# Altium PCB UltraZOhm_CarrierBoard.PcbDoc (part 7 of 12)
Units mm, origin at the board's own origin, x right, y up, seen from the top; angles counter-clockwise.
Board outline 350 x 128 mm, 6 copper layers (Top Layer, L02_GND, L03_Sig, L04_Sig, L05_VCC, Bottom Layer), stack 2.021 mm thick; 851 components, 1243 nets, 4332 pads, 2446 vias.
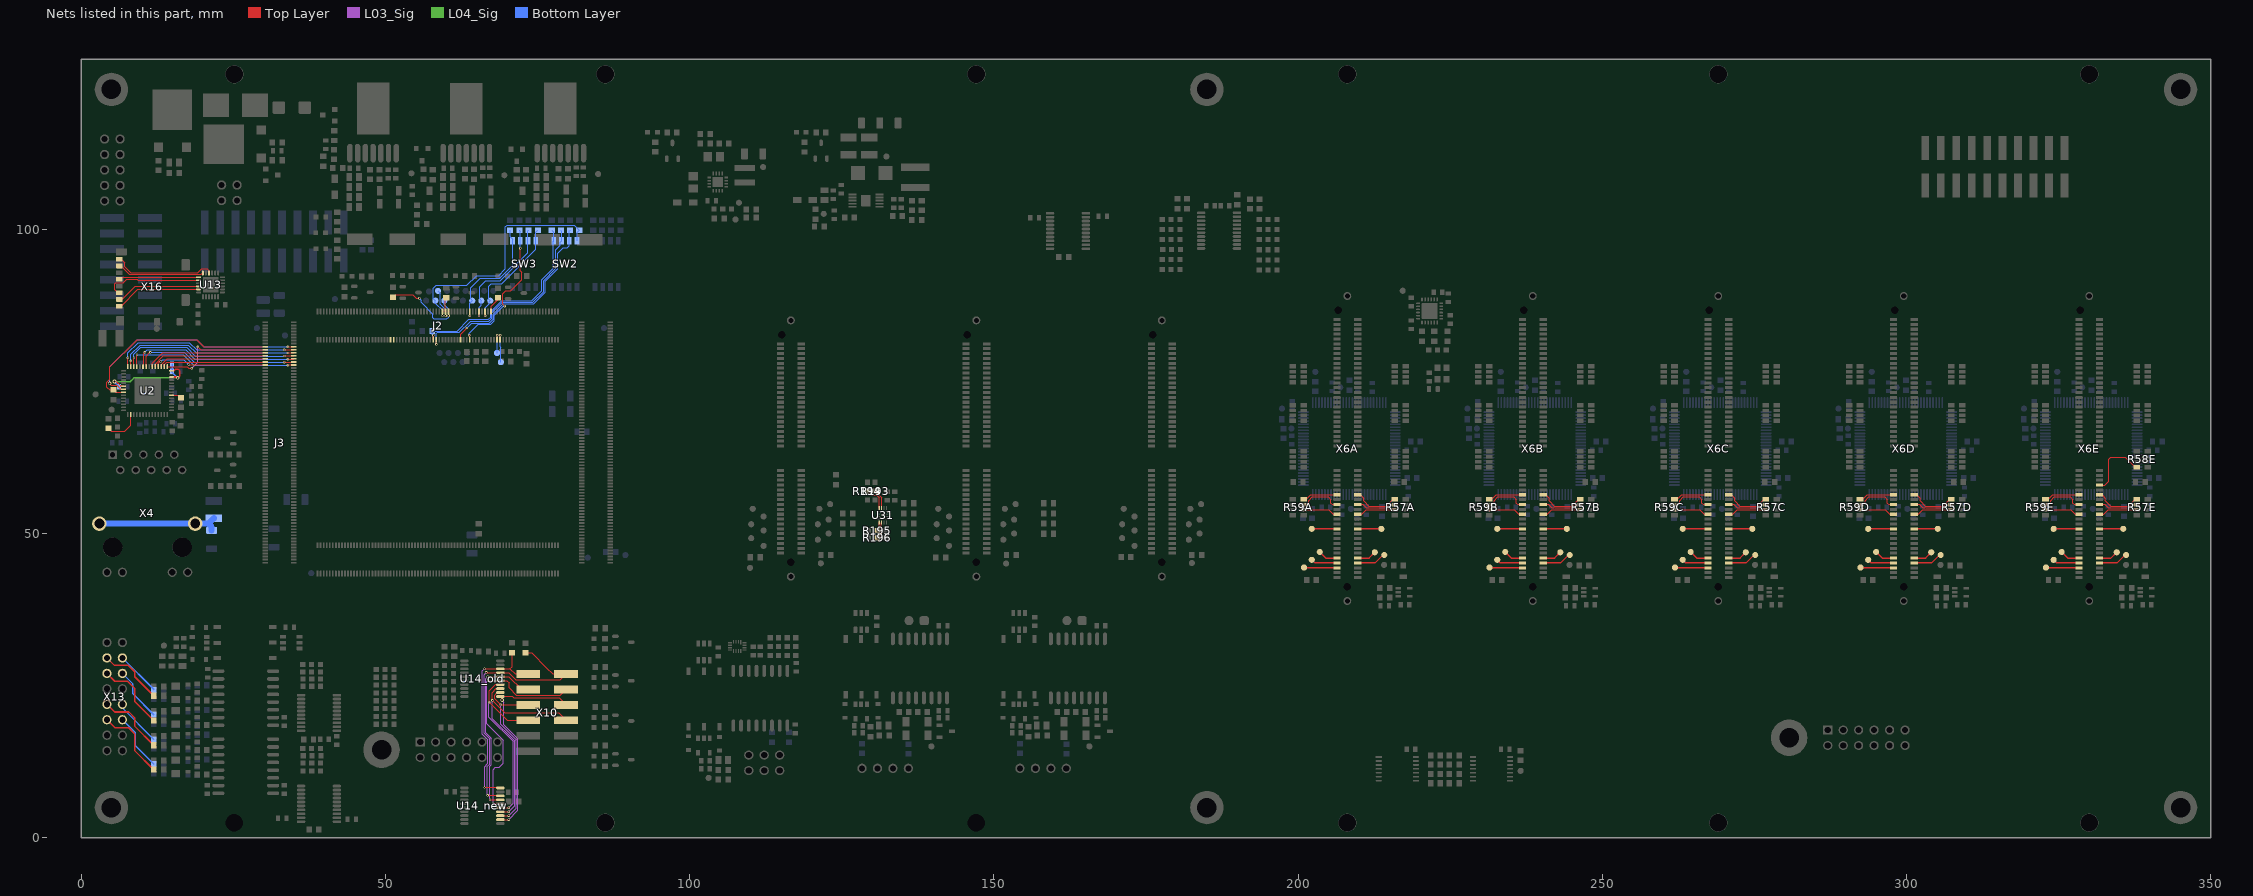
[diagram p11: the nets of this part, all layers, seen from the top]

## Via types
v1: diameter 0.4, hole 0.2, Top Layer to Bottom Layer, tented bottom, 866 vias
v2: diameter 0.4, hole 0.2, Top Layer to Bottom Layer, tented both sides, 783 vias
v3: diameter 0.6, hole 0.3, Top Layer to Bottom Layer, tented both sides, 508 vias
v4: diameter 0.6, hole 0.3, Top Layer to Bottom Layer, tented bottom, 276 vias
v5: diameter 0.5, hole 0.2, Top Layer to Bottom Layer, tented bottom, 5 vias
v6: diameter 0.5, hole 0.3, Top Layer to Bottom Layer, tented bottom, 5 vias
v7: diameter 1, hole 0.5, Top Layer to Bottom Layer, tented bottom, 2 vias
v8: diameter 0.4, hole 0.2, Top Layer to Bottom Layer, 1 vias

## Nets (pads, with @x,y where several pads share a name; then routed paths per layer and width w, separated by ;. In a path a pad name is that pad's centre, name@x,y a point inside that pad or via, vN(x,y) a via of type N, cw(c..) or ccw(c..) an arc to the next point about the centre after c; other vN are vias at no path point) (continued)
DIG_IO_24E: R58E.8 X6E.62 | length 10.8
  Top Layer w0.1: X6E.62@331.7,58 332.57,58 333.17,58.6 333.17,62.2 333.57,62.6 335.92,62.6 337.598,60.922 R58E.8@337.82,60.922
DIG_IO_25A: R59A.8 X6A.65 | length 5.8
  Top Layer w0.1: R59A.8@200.9,55.648 201.348,55.648 202.1,56.4 X6A.65@206.38,56.4
DIG_IO_25B: R59B.8 X6B.65 | length 5.8
  Top Layer w0.1: R59B.8@231.38,55.648 231.828,55.648 232.58,56.4 X6B.65@236.86,56.4
DIG_IO_25C: R59C.8 X6C.65 | length 5.8
  Top Layer w0.1: R59C.8@261.86,55.648 262.308,55.648 263.06,56.4 X6C.65@267.34,56.4
DIG_IO_25D: R59D.8 X6D.65 | length 5.8
  Top Layer w0.1: R59D.8@292.34,55.648 292.788,55.648 293.54,56.4 X6D.65@297.82,56.4
DIG_IO_25E: R59E.8 X6E.65 | length 5.8
  Top Layer w0.1: R59E.8@322.82,55.648 323.268,55.648 324.02,56.4 X6E.65@328.3,56.4
DIG_IO_26A: R57A.5 X6A.66 | length 7.6
  Top Layer w0.1: X6A.66@209.78,56.4 210.2,56.4 210.75,55.85 210.75,55.43 211.63,54.55 214.55,54.55 215.648,55.648 R57A.5@215.9,55.648
DIG_IO_26B: R57B.5 X6B.66 | length 7.6
  Top Layer w0.1: X6B.66@240.26,56.4 240.68,56.4 241.23,55.85 241.23,55.43 242.11,54.55 245.03,54.55 246.128,55.648 R57B.5@246.38,55.648
DIG_IO_26C: R57C.5 X6C.66 | length 7.6
  Top Layer w0.1: X6C.66@270.74,56.4 271.16,56.4 271.71,55.85 271.71,55.43 272.59,54.55 275.51,54.55 276.608,55.648 R57C.5@276.86,55.648
DIG_IO_26D: R57D.5 X6D.66 | length 7.6
  Top Layer w0.1: X6D.66@301.22,56.4 301.64,56.4 302.19,55.85 302.19,55.43 303.07,54.55 305.99,54.55 307.088,55.648 R57D.5@307.34,55.648
DIG_IO_26E: R57E.5 X6E.66 | length 7.6
  Top Layer w0.1: X6E.66@331.7,56.4 332.12,56.4 332.67,55.85 332.67,55.43 333.55,54.55 336.47,54.55 337.568,55.648 R57E.5@337.82,55.648
DIG_IO_27A: R59A.7 X6A.69 | length 7.1
  Top Layer w0.1: R59A.7@200.9,54.748 201.348,54.748 201.75,55.15 201.75,55.45 202.35,56.05 204.95,56.05 205.4,55.6 205.4,55 205.6,54.8 X6A.69@206.38,54.8
DIG_IO_27B: R59B.7 X6B.69 | length 7.1
  Top Layer w0.1: R59B.7@231.38,54.748 231.828,54.748 232.23,55.15 232.23,55.45 232.83,56.05 235.43,56.05 235.88,55.6 235.88,55 236.08,54.8 X6B.69@236.86,54.8
DIG_IO_27C: R59C.7 X6C.69 | length 7.1
  Top Layer w0.1: R59C.7@261.86,54.748 262.308,54.748 262.71,55.15 262.71,55.45 263.31,56.05 265.91,56.05 266.36,55.6 266.36,55 266.56,54.8 X6C.69@267.34,54.8
DIG_IO_27D: R59D.7 X6D.69 | length 7.1
  Top Layer w0.1: R59D.7@292.34,54.748 292.788,54.748 293.19,55.15 293.19,55.45 293.79,56.05 296.39,56.05 296.84,55.6 296.84,55 297.04,54.8 X6D.69@297.82,54.8
DIG_IO_27E: R59E.7 X6E.69 | length 7.1
  Top Layer w0.1: R59E.7@322.82,54.748 323.268,54.748 323.67,55.15 323.67,55.45 324.27,56.05 326.87,56.05 327.32,55.6 327.32,55 327.52,54.8 X6E.69@328.3,54.8
DIG_IO_28A: R57A.6 X6A.70 | length 6.6
  Top Layer w0.1: X6A.70@209.78,54.8 210.65,54.8 211.2,54.25 214.854,54.25 215.352,54.748 R57A.6@215.9,54.748
DIG_IO_28B: R57B.6 X6B.70 | length 6.6
  Top Layer w0.1: X6B.70@240.26,54.8 241.13,54.8 241.68,54.25 245.334,54.25 245.832,54.748 R57B.6@246.38,54.748
DIG_IO_28C: R57C.6 X6C.70 | length 6.6
  Top Layer w0.1: X6C.70@270.74,54.8 271.61,54.8 272.16,54.25 275.814,54.25 276.312,54.748 R57C.6@276.86,54.748
DIG_IO_28D: R57D.6 X6D.70 | length 6.6
  Top Layer w0.1: X6D.70@301.22,54.8 302.09,54.8 302.64,54.25 306.294,54.25 306.792,54.748 R57D.6@307.34,54.748
DIG_IO_28E: R57E.6 X6E.70 | length 6.6
  Top Layer w0.1: X6E.70@331.7,54.8 332.57,54.8 333.12,54.25 336.774,54.25 337.272,54.748 R57E.6@337.82,54.748
DIG_IO_29A: R59A.6 X6A.73 | length 5.8
  Top Layer w0.1: R59A.6@200.9,53.948 205.052,53.948 205.8,53.2 X6A.73@206.38,53.2
DIG_IO_29B: R59B.6 X6B.73 | length 5.8
  Top Layer w0.1: R59B.6@231.38,53.948 235.532,53.948 236.28,53.2 X6B.73@236.86,53.2
DIG_IO_29C: R59C.6 X6C.73 | length 5.8
  Top Layer w0.1: R59C.6@261.86,53.948 266.012,53.948 266.76,53.2 X6C.73@267.34,53.2
DIG_IO_29D: R59D.6 X6D.73 | length 5.8
  Top Layer w0.1: R59D.6@292.34,53.948 296.492,53.948 297.24,53.2 X6D.73@297.82,53.2
DIG_IO_29E: R59E.6 X6E.73 | length 5.8
  Top Layer w0.1: R59E.6@322.82,53.948 326.972,53.948 327.72,53.2 X6E.73@328.3,53.2
DIG_IO_30A: R57A.7 X6A.74 | length 6.4
  Top Layer w0.1: X6A.74@209.78,53.2 210.45,53.2 211.198,53.948 R57A.7@215.9,53.948
DIG_IO_30B: R57B.7 X6B.74 | length 6.4
  Top Layer w0.1: X6B.74@240.26,53.2 240.93,53.2 241.678,53.948 R57B.7@246.38,53.948
DIG_IO_30C: R57C.7 X6C.74 | length 6.4
  Top Layer w0.1: X6C.74@270.74,53.2 271.41,53.2 272.158,53.948 R57C.7@276.86,53.948
DIG_IO_30D: R57D.7 X6D.74 | length 6.4
  Top Layer w0.1: X6D.74@301.22,53.2 301.89,53.2 302.638,53.948 R57D.7@307.34,53.948
DIG_IO_30E: R57E.7 X6E.74 | length 6.4
  Top Layer w0.1: X6E.74@331.7,53.2 332.37,53.2 333.118,53.948 R57E.7@337.82,53.948
DIG_RES_01A: TP57A.1 X6A.79 | length 4.1
  Top Layer w0.254: TP57A.1@202.238,50.792 206.372,50.792 X6A.79@206.38,50.8
DIG_RES_01B: TP57B.1 X6B.79 | length 4.1
  Top Layer w0.254: TP57B.1@232.718,50.792 236.852,50.792 X6B.79@236.86,50.8
DIG_RES_01C: TP57C.1 X6C.79 | length 4.1
  Top Layer w0.254: TP57C.1@263.198,50.792 267.332,50.792 X6C.79@267.34,50.8
DIG_RES_01D: TP57D.1 X6D.79 | length 4.1
  Top Layer w0.254: TP57D.1@293.678,50.792 297.812,50.792 X6D.79@297.82,50.8
DIG_RES_01E: TP57E.1 X6E.79 | length 4.1
  Top Layer w0.254: TP57E.1@324.158,50.792 328.292,50.792 X6E.79@328.3,50.8
DIG_RES_02A: TP58A.1 X6A.80 | length 3.9
  Top Layer w0.254: X6A.80@209.78,50.8 213.66,50.8 TP58A.1@213.668,50.792
DIG_RES_02B: TP58B.1 X6B.80 | length 3.9
  Top Layer w0.254: X6B.80@240.26,50.8 244.14,50.8 TP58B.1@244.148,50.792
DIG_RES_02C: TP58C.1 X6C.80 | length 3.9
  Top Layer w0.254: X6C.80@270.74,50.8 274.62,50.8 TP58C.1@274.628,50.792
DIG_RES_02D: TP58D.1 X6D.80 | length 3.9
  Top Layer w0.254: X6D.80@301.22,50.8 305.1,50.8 TP58D.1@305.108,50.792
DIG_RES_02E: TP58E.1 X6E.80 | length 3.9
  Top Layer w0.254: X6E.80@331.7,50.8 335.58,50.8 TP58E.1@335.588,50.792
DIG_RES_03A: TP81A.1 X6A.91 | length 3.2
  Top Layer w0.254: TP81A.1@203.549,47 204.549,46 X6A.91@206.38,46
DIG_RES_03B: TP81B.1 X6B.91 | length 3.2
  Top Layer w0.254: TP81B.1@234.029,47 235.029,46 X6B.91@236.86,46
DIG_RES_03C: TP81C.1 X6C.91 | length 3.2
  Top Layer w0.254: TP81C.1@264.509,47 265.509,46 X6C.91@267.34,46
DIG_RES_03D: TP81D.1 X6D.91 | length 3.2
  Top Layer w0.254: TP81D.1@294.989,47 295.989,46 X6D.91@297.82,46
DIG_RES_03E: TP81E.1 X6E.91 | length 3.2
  Top Layer w0.254: TP81E.1@325.469,47 326.469,46 X6E.91@328.3,46
DIG_RES_04A: TP82A.1 X6A.92 | length 3.2
  Top Layer w0.254: X6A.92@209.78,46 211.649,46 TP82A.1@212.599,46.95
DIG_RES_04B: TP82B.1 X6B.92 | length 3.2
  Top Layer w0.254: X6B.92@240.26,46 242.129,46 TP82B.1@243.079,46.95
DIG_RES_04C: TP82C.1 X6C.92 | length 3.2
  Top Layer w0.254: X6C.92@270.74,46 272.609,46 TP82C.1@273.559,46.95
DIG_RES_04D: TP82D.1 X6D.92 | length 3.2
  Top Layer w0.254: X6D.92@301.22,46 303.089,46 TP82D.1@304.039,46.95
DIG_RES_04E: TP82E.1 X6E.92 | length 3.2
  Top Layer w0.254: X6E.92@331.7,46 333.569,46 TP82E.1@334.519,46.95
DIG_RES_05A: TP64A.1 X6A.93 | length 4.4
  Top Layer w0.254: TP64A.1@202.238,45.712 202.75,45.2 X6A.93@206.38,45.2
DIG_RES_05B: TP64B.1 X6B.93 | length 4.4
  Top Layer w0.254: TP64B.1@232.718,45.712 233.23,45.2 X6B.93@236.86,45.2
DIG_RES_05C: TP64C.1 X6C.93 | length 4.4
  Top Layer w0.254: TP64C.1@263.198,45.712 263.71,45.2 X6C.93@267.34,45.2
DIG_RES_05D: TP64D.1 X6D.93 | length 4.4
  Top Layer w0.254: TP64D.1@293.678,45.712 294.19,45.2 X6D.93@297.82,45.2
DIG_RES_05E: TP64E.1 X6E.93 | length 4.4
  Top Layer w0.254: TP64E.1@324.158,45.712 324.67,45.2 X6E.93@328.3,45.2
DIG_RES_06A: TP65A.1 X6A.94 | length 4.9
  Top Layer w0.254: X6A.94@209.78,45.2 212.648,45.2 213.948,46.5 TP65A.1@214.15,46.5
DIG_RES_06B: TP65B.1 X6B.94 | length 4.9
  Top Layer w0.254: X6B.94@240.26,45.2 243.128,45.2 244.428,46.5 TP65B.1@244.63,46.5
DIG_RES_06C: TP65C.1 X6C.94 | length 4.9
  Top Layer w0.254: X6C.94@270.74,45.2 273.608,45.2 274.908,46.5 TP65C.1@275.11,46.5
DIG_RES_06D: TP65D.1 X6D.94 | length 4.9
  Top Layer w0.254: X6D.94@301.22,45.2 304.088,45.2 305.388,46.5 TP65D.1@305.59,46.5
DIG_RES_06E: TP65E.1 X6E.94 | length 4.9
  Top Layer w0.254: X6E.94@331.7,45.2 334.568,45.2 335.868,46.5 TP65E.1@336.07,46.5
DIG_RES_07A: TP67A.1 X6A.95 | length 5.4
  Top Layer w0.254: TP67A.1@200.968,44.442 201.01,44.4 X6A.95@206.38,44.4
DIG_RES_07B: TP67B.1 X6B.95 | length 5.4
  Top Layer w0.254: TP67B.1@231.448,44.442 231.49,44.4 X6B.95@236.86,44.4
DIG_RES_07C: TP67C.1 X6C.95 | length 5.4
  Top Layer w0.254: TP67C.1@261.928,44.442 261.97,44.4 X6C.95@267.34,44.4
DIG_RES_07D: TP67D.1 X6D.95 | length 5.4
  Top Layer w0.254: TP67D.1@292.408,44.442 292.45,44.4 X6D.95@297.82,44.4
DIG_RES_07E: TP67E.1 X6E.95 | length 5.4
  Top Layer w0.254: TP67E.1@322.888,44.442 322.93,44.4 X6E.95@328.3,44.4
DIR1: R193.2 U31.15 | length 3.2
  Top Layer w0.1: R193.2@130.48,56.998 131.55,55.928 U31.15@131.55,54.21
DIR2: R194.2 U31.16 | length 4.1
  Top Layer w0.1: R194.2@129.21,56.998 129.896,56.312 130.778,56.312 131.166,55.924 131.166,54.226 U31.16@131.15,54.21
DIR3: R195.2 U31.5 | length 1.5
  Top Layer w0.1: R195.2@130.85,50.521 131.15,50.82 U31.5@131.15,51.86
DIR4: R196.2 U31.6 | length 3.1
  Top Layer w0.1: R196.2@130.85,49.341 131.383,49.341 131.521,49.479 131.521,51.832 U31.6@131.55,51.86
DONE: J2.116 R3.1 | length 2.7
  Top Layer w0.2: J2.116@67.372,86.521 67.372,87.372 68.533,88.533 R3.1@68.533,88.769
DP0_TX_N: J2.49
DP0_TX_P: J2.51
DVDD1V: C13.1 C14.1 C15.1 U2.6 U2.40 U2.42 | length 20.1
  Top Layer w0.254: v4(5.5,75) 5.8,75 6.545,74.255 U2.6@6.995,74.255 ; U2.40@14.875,75.755 15.745,75.755 v4(15.9,75.6) 16.2,75.9 16.2,76.8 15.973,77.027 15.523,77.027 15.251,76.755 U2.42@14.875,76.755
  L04_Sig w0.254: v4(5.5,75) 8.1,75 8.7,75.6 v4(15.9,75.6)
  Bottom Layer w0.254: v4(5.5,75) 5.5,74.898 C15.1@6.219,74.179 ; C14.1@14.96,77.837 C13.1@14.96,76.68 14.96,76.54 v4(15.9,75.6)
DX_N: J2.121 TP25.1 | length 5.2
  Top Layer w0.1: J2.121@68.872,81.851 68.872,82.572 v2(68.9,82.6)
  Bottom Layer w0.1: v2(68.9,82.6) 68.9,80.7 68.996,80.604 68.996,78.214 TP25.1@68.98,78.198
DX_P: J2.119 TP24.1 | length 3.7
  Top Layer w0.1: J2.119@68.372,81.851 68.4,81.879 v2(68.4,82.6)
  Bottom Layer w0.1: TP24.1@68.346,79.698 68.4,79.752 v2(68.4,82.6)
EN_DDR: J2.112 R22.1 SW3.8 TP15.1 | length 19.6
  Top Layer w0.1: J2.112@66.372,86.521 66.372,85.828 v2(66.4,85.8)
  Bottom Layer w0.1: v2(66.4,85.8) 66.4,87.1 67.1,87.8 67.1,88.15 TP15.1@67.248,88.298 67,88.546 67,90.7 67.4,91.1 69.1,91.1 74.711,96.711 SW3.8@74.711,98.145 74.711,99.51 R22.1@75.083,99.882
EN_FPD: J2.102 R25.1 SW3.5 TP11.1 | length 20
  Top Layer w0.1: J2.102@63.872,86.521 63.872,85.828 v2(63.9,85.8)
  Bottom Layer w0.1: v2(63.9,85.8) 63.9,87.91 TP11.1@64.288,88.298 64,88.586 64,90.4 65.6,92 68.8,92 70.901,94.101 SW3.5@70.901,98.145 70.901,98.4 70.571,98.73 70.57,98.73 70.511,98.789 R25.1@70.511,99.882
EN_GT_L: J2.79 R20.1 SW2.6 | length 34.9
  Top Layer w0.1: J2.79@58.372,81.851 58.372,81.128 v2(58.4,81.1)
  Bottom Layer w0.1: v2(58.4,81.1) 58.4,82.9 58.589,83.089 62.189,83.089 64,84.9 67,84.9 67.5,85.4 67.5,86.3 69.2,88 74.2,88 76,89.8 76,91.6 78,93.6 78,96.7 78.73,97.43 78.73,97.925 SW2.6@78.961,98.156 78.961,99.773 R20.1@78.852,99.882
EN_GT_R: J2.95 R18.1 SW2.7 | length 30.5
  Top Layer w0.1: J2.95@62.372,81.851 62.372,82.772 v1(63.4,83.8)
  Bottom Layer w0.1: v1(63.4,83.8) 64.2,84.6 67.1,84.6 67.7,85.2 67.7,86.1 69.4,87.8 74.4,87.8 76.3,89.7 76.3,91.5 78.3,93.5 78.3,96.1 79.2,97 79.9,97 80.231,97.331 SW2.7@80.231,98.156 80.231,99.75 R18.1@80.363,99.882
EN_LPD: J2.108 R23.1 SW3.7 TP13.1 | length 19.8
  Top Layer w0.1: J2.108@65.372,86.521 65.372,85.828 v2(65.4,85.8)
  Bottom Layer w0.1: v2(65.4,85.8) 65.4,87.2 65.772,87.572 TP13.1@65.772,88.298 65.5,88.57 65.5,90.6 66.5,91.6 68.9,91.6 73.441,96.141 SW3.7@73.441,98.145 73.441,99.764 R23.1@73.559,99.882
EN_PL: J2.101 R24.1 SW3.6 | length 23.8
  Top Layer w0.1: v2(63.8,82.6) 63.872,82.528 J2.101@63.872,81.851 ; v2(69.6,87.4) 69.3,87.7 69.3,89.4 69.8,89.9 70.6,89.9 72.4,91.7 72.4,93 72.2,93.2 v1(72.2,96.9)
  Bottom Layer w0.1: v2(63.8,82.6) 63.8,82.9 65.3,84.4 67.3,84.4 67.9,85 67.9,85.9 69.4,87.4 v2(69.6,87.4) ; R24.1@72.035,99.882 72.035,99.865 72.171,99.729 SW3.6@72.171,98.145 72.171,96.929 v1(72.2,96.9)
EN_PLL_PWR: J2.77 R16.2 R21.1 SW2.5 | length 33.8
  Top Layer w0.254: J2.77@57.872,81.851 57.872,82.572 v2(57.9,82.6)
  Bottom Layer w0.1: R16.2@57.708,83.289 61.789,83.289 63.7,85.2 66.9,85.2 67.3,85.6 67.3,86.5 69.1,88.3 74.1,88.3 75.7,89.9 75.7,91.7 77.6,93.6 77.6,97.974 77.555,98.02 SW2.5@77.691,98.156 77.691,99.537 R21.1@77.346,99.882
  Bottom Layer w0.254: R16.2@57.708,83.289 57.708,82.792 v2(57.9,82.6)
EN_PSGT: J2.84 R17.1 SW2.8 TP3.1 | length 40.4
  Top Layer w0.1: J2.84@59.372,86.521 59.4,86.493 v2(59.4,85.8)
  Bottom Layer w0.1: v2(59.4,85.8) 59.4,86.7 58.228,87.872 TP3.1@58.228,88.298 57.9,88.626 57.9,90.3 58.4,90.8 63.4,90.8 65,92.4 68.6,92.4 69.7,93.5 69.7,100.4 70,100.7 81.047,100.7 R17.1@81.865,99.882
  Bottom Layer w0.2: SW2.8@81.501,98.156 81.501,99.518 R17.1@81.865,99.882
ERR_OUT: J2.88 R7.1 TP5.1 | length 15.4
  Top Layer w0.1: J2.88@60.372,86.521 60.4,86.493 v2(60.4,85.8)
  Top Layer w0.2: R7.1@51.254,88.866 51.688,89.3 54.5,89.3 55.1,88.7 v2(55.6,88.7)
  Bottom Layer w0.1: TP5.1@59.71,88.298 59.71,87.59 60.4,86.9 v2(60.4,85.8)
  Bottom Layer w0.2: v2(55.6,88.7) 55.9,88.4 55.9,88 57.8,86.1 57.8,85.5 58,85.3 60.1,85.3 60.4,85.6 v2(60.4,85.8)
ERR_STATUS: J2.86 R5.1 TP4.1 | length 7.7
  Top Layer w0.1: J2.86@59.872,86.521 59.9,86.493 v2(59.9,85.8)
  Top Layer w0.2: J2.86@59.872,86.521 59.872,88.637 R5.1@60.02,88.784
  Bottom Layer w0.1: TP4.1@58.652,89.898 59,89.55 59,87.7 59.9,86.8 v2(59.9,85.8)
ESD_CLK: U13.19 X16.5 | length 13.2
  Top Layer w0.1: X16.5@6.29,91.792 6.647,92.149 U13.19@19.325,92.149
ESD_CMD: U13.20 X16.3 | length 16.2
  Top Layer w0.1: X16.3@6.29,89.592 6.008,89.592 5.5,90.1 5.5,91.1 5.667,91.267 6.967,91.267 7.5,91.8 9.2,91.8 9.351,91.649 U13.20@19.325,91.649
ESD_DAT0: U13.18 X16.7 | length 14.4
  Top Layer w0.1: X16.7@6.29,93.992 6.508,93.992 7.9,92.6 19.777,92.6 U13.18@20.025,92.849
ESD_DAT1: U13.16 X16.8 | length 16.7
  Top Layer w0.1: X16.8@6.29,95.092 6.608,95.092 7.2,94.5 7.2,93.9 8.2,92.9 19.2,92.9 19.8,93.5 20.7,93.5 21.025,93.175 U13.16@21.025,92.849
ESD_DAT2: U13.23 X16.1 | length 14.2
  Top Layer w0.1: X16.1@6.29,87.392 6.592,87.392 9.349,90.149 U13.23@19.325,90.149
ESD_DAT3: U13.22 X16.2 | length 13.9
  Top Layer w0.1: X16.2@6.29,88.492 6.792,88.492 8.949,90.649 U13.22@19.325,90.649
ETH_CLK: R49.1 U2.34 | length 1.7
  Top Layer w0.15: U2.34@14.875,72.755 16.026,72.755 R49.1@16.422,72.359
ETH_MDC: J3.143 U2.7 | length 38
  Top Layer w0.1: v4(4.7,74.7) 5,74.4 5.9,74.4 6.545,73.755 U2.7@6.995,73.755 ; v2(34,80.7) 34.921,80.7 J3.143@34.957,80.736
  Bottom Layer w0.1: v4(4.7,74.7) 4.7,77.4 9.2,81.9 19,81.9 20.2,80.7 v2(34,80.7)
ETH_MDIO: J3.144 R50.2 U2.8 | length 34.6
  Top Layer w0.1: U2.8@6.995,73.255 5.686,73.255 R50.2@5.322,73.619 4.681,73.619 4.2,74.1 4.2,74.9 4.7,75.4 4.7,77.4 9.2,81.9 19,81.9 20.2,80.7 30.251,80.7 J3.144@30.287,80.736
ETH_RST: R210.1 U2.16 | length 6.1
  Top Layer w0.15: R210.1@4.499,67.3 4.999,66.8 7.2,66.8 8.185,67.785 U2.16@8.185,69.565
ETH_RXCK: J3.132 U2.46 | length 18.8
  Top Layer w0.1: U2.46@12.685,77.445 12.685,77.989 12.996,78.3 v2(13.1,78.3) ; v1(17.7,77.8) 17.764,77.736 J3.132@30.287,77.736
  Bottom Layer w0.1: v2(13.1,78.3) 13.4,78.6 16.9,78.6 v1(17.7,77.8)
ETH_RXCTL: J3.142 U2.43 | length 19.3
  Top Layer w0.1: U2.43@14.185,77.445 17.455,77.445 17.7,77.2 v1(18.2,77.2) ; v1(19.2,80.7) 19.7,80.2 30.251,80.2 J3.142@30.287,80.236
  L03_Sig w0.1: v1(18.2,77.2) 19.2,78.2 v1(19.2,80.7)
ETH_RXD0: J3.134 U2.44 | length 16.7
  Top Layer w0.1: U2.44@13.685,77.445 13.685,77.785 14.1,78.2 J3.134@29.9,78.2
ETH_RXD1: J3.136 U2.45 | length 17.8
  Top Layer w0.1: U2.45@13.185,77.445 13.185,77.785 14.136,78.736 J3.136@30.287,78.736
ETH_RXD2: J3.138 U2.47 | length 19.1
  Top Layer w0.1: U2.47@12.185,77.445 12.185,77.885 13.536,79.236 J3.138@30.287,79.236
ETH_RXD3: J3.140 U2.48 | length 19.9
  Top Layer w0.1: U2.48@11.685,77.445 11.685,77.985 13.436,79.736 J3.140@30.287,79.736
ETH_TXCK: J3.131 U2.53 | length 28.4
  Top Layer w0.1: U2.53@9.185,77.445 9.185,79.385 v1(9.2,79.4) ; v2(34,77.7) 34.036,77.736 J3.131@34.957,77.736
  Bottom Layer w0.1: v1(9.2,79.4) 16.8,79.4 18.5,77.7 v2(34,77.7)
ETH_TXCTL: J3.141 U2.56 | length 30.7
  Top Layer w0.1: U2.56@7.685,77.445 7.685,78.885 v1(7.7,78.9) ; v1(33.4,80.2) 34.921,80.2 J3.141@34.957,80.236
  Bottom Layer w0.1: v1(7.7,78.9) 7.7,79.7 9.4,81.4 17.8,81.4 19,80.2 v1(33.4,80.2)
ETH_TXD0: J3.133 U2.50 | length 26.9
  Top Layer w0.1: U2.50@10.685,77.445 10.685,79.185 11.3,79.8 v1(11.4,79.8) ; v1(33.4,78.2) 34.921,78.2 J3.133@34.957,78.236
  Bottom Layer w0.1: v1(11.4,79.8) 17,79.8 18.6,78.2 v1(33.4,78.2)
ETH_TXD1: J3.135 U2.51 | length 27.7
  Top Layer w0.1: U2.51@10.185,77.445 10.3,77.559 10.3,79.6 v1(10.5,79.8) ; v2(34,78.7) 34.921,78.7 J3.135@34.957,78.736
  Bottom Layer w0.1: v1(10.5,79.8) 10.9,80.2 17.2,80.2 18.7,78.7 v2(34,78.7)
ETH_TXD2: J3.137 U2.54 | length 29.4
  Top Layer w0.1: U2.54@8.685,77.445 8.685,78.885 v1(8.7,78.9) ; v1(33.4,79.2) 33.436,79.236 J3.137@34.957,79.236
  Bottom Layer w0.1: v1(8.7,78.9) 8.7,79.5 9.8,80.6 17.4,80.6 18.8,79.2 v1(33.4,79.2)
ETH_TXD3: J3.139 U2.55 | length 30
  Top Layer w0.1: U2.55@8.185,77.445 8.185,78.385 v2(8.2,78.4) ; v2(34,79.7) 34.036,79.736 J3.139@34.957,79.736
  Bottom Layer w0.1: v2(8.2,78.4) 8.2,79.5 9.7,81 17.6,81 18.9,79.7 v2(34,79.7)
EXT_GPIO1: R168A.1 X13.3 | length 12.7
  Top Layer w0.254: X13.3@4.252,19.429 5.581,18.1 7.825,18.1 8.8,17.125 8.8,14.386 R168A.1@11.96,11.226
EXT_GPIO2: R168B.1 X13.4 | length 11.3
  Top Layer w0.254: X13.4@4.252,21.969 5.521,20.7 7.875,20.7 8.8,19.775 8.8,18.394 R168B.1@11.955,15.24
EXT_GPIO3: R168C.1 X13.11 | length 9.4
  Bottom Layer w0.254: X13.11@6.792,19.429 8.9,17.321 8.9,15.192 R168C.1@11.955,12.138
EXT_GPIO4: R168D.1 X13.12 | length 7.9
  Bottom Layer w0.254: X13.12@6.792,21.969 6.792,21.364 R168D.1@11.955,16.202
EXT_GPIO5: R168E.1 X13.6 | length 12.2
  Top Layer w0.254: X13.6@4.252,27.049 5.551,25.75 7.65,25.75 8.825,24.575 8.825,22.433 R168E.1@11.955,19.304
EXT_GPIO6: R168F.1 X13.7 | length 10.7
  Top Layer w0.254: X13.7@4.252,29.589 5.491,28.35 7.775,28.35 8.825,27.3 8.825,26.497 R168F.1@11.955,23.368
EXT_GPIO7: R168G.1 X13.14 | length 8.9
  Bottom Layer w0.254: X13.14@6.792,27.049 8.525,25.316 8.525,23.695 R168G.1@11.955,20.266
EXT_GPIO8: R168H.1 X13.15 | length 7.4
  Bottom Layer w0.254: X13.15@6.792,29.589 11.955,24.426 R168H.1@11.955,24.33
EXT_I2C1_SCL: R102.2 U14_new.20 U14_old.18 X10.6 | length 32.8
  Top Layer w0.2: v1(66.3,8.3) 68.184,8.3 68.22,8.263 68.762,8.263 U14_new.20@68.8,8.225 ; v2(66.3,27.8) U14_old.18@68.8,27.8 ; U14_old.18@69.107,27.825 70.473,27.825 ; R102.2@70.825,30.45 70.825,28.177 70.473,27.825 ; X10.6@73.488,26.95 71.348,26.95 70.473,27.825
  L03_Sig w0.2: v1(66.3,8.3) 66.3,11.707 66.846,12.253 66.846,16.16 65.95,17.056 65.95,27.45 v2(66.3,27.8)
EXT_I2C1_SDA: R103.2 U14_new.18 U14_old.17 X10.12 | length 44.7
  Top Layer w0.2: v2(66.6,27.2) 66.654,27.2 66.704,27.15 U14_old.17@68.8,27.15 ; v1(66.8,7) 68.184,7 68.22,6.963 68.762,6.963 U14_new.18@68.8,6.925 ; U14_old.17@69.107,27.175 70.26,27.175 71.425,26.01 78.77,26.01 X10.12@79.711,26.95 77.475,26.95 76.437,27.987 74.025,30.4 R103.2@73.025,30.4
  L03_Sig w0.2: v2(66.6,27.2) 66.25,26.85 66.25,17.18 67.146,16.284 67.146,12.129 66.785,11.768 66.785,7.015 v1(66.8,7)
EXT_SPI0_CS: U14_new.12 U14_old.11 X10.10 | length 34.7
  Top Layer w0.1: U14_new.12@68.8,3.025 v1(70.3,3.025)
  Top Layer w0.2: U14_old.11@69.107,23.275 70.858,23.275 71.095,23.038 78.543,23.038 X10.10@79.711,21.87
  Top Layer w0.254: U14_old.11@69.107,23.275 69.107,22.765 v3(69.19,22.682)
  L03_Sig w0.1: v3(69.19,22.682) 69.19,22.61 69.5,22.3 69.5,18.6 71.8,16.3 71.8,4.525 v1(70.3,3.025)
EXT_SPI0_MISO: U14_new.14 U14_old.13 X10.9 | length 38.2
  Top Layer w0.2: v1@67.564,22.631 67.564,23.901 68.237,24.575 U14_old.13@69.107,24.575 ; v1@67.598,22.598 69.647,20.549 78.492,20.549 X10.9@79.711,19.33 ; U14_new.14@68.8,4.325 v1(70.3,4.325)
  L03_Sig w0.2: v1(67.6,22.6) 67.6,19.619 71.25,15.969 71.25,5.275 v1(70.3,4.325)
EXT_SPI0_MOSI: U14_new.15 U14_old.14 X10.3 | length 32.8
  Top Layer w0.1: U14_new.15@68.8,4.975 v1(70.3,4.975)
  Top Layer w0.2: U14_old.14@69.107,25.225 68.125,25.225 67.056,24.155 v1(67.056,22.327) 70.053,19.33 X10.3@73.488,19.33
  L03_Sig w0.1: v1(67.056,22.327) 67,22.271 67,19.866 71,15.866 71,5.675 v1(70.3,4.975)
EXT_SPI0_SCLK: U14_new.13 U14_old.12 X10.4 | length 29.1
  Top Layer w0.2: U14_new.13@68.8,3.675 v1(70.3,3.675) ; U14_old.12@69.107,23.925 68.426,23.925 67.996,23.495 67.996,22.86 v1(68.986,21.87) X10.4@73.488,21.87
  L03_Sig w0.2: v1(68.986,21.87) 68.986,18.714 71.55,16.15 71.55,4.925 v1(70.3,3.675)
EXT_UART1_RX: U14_new.17 U14_old.16 X10.5 | length 29.7
  Top Layer w0.1: v2(66.8,26.5) U14_old.16@68.8,26.5 ; v1(67.2,6.3) 68.775,6.3 U14_new.17@68.8,6.275
  Top Layer w0.2: U14_old.16@69.107,26.525 70.3,26.525 72.415,24.41 X10.5@73.488,24.41
  L03_Sig w0.1: v2(66.8,26.5) 66.5,26.2 66.5,17.284 67.396,16.388 67.396,12.025 67.185,11.815 67.185,6.315 v1(67.2,6.3)
EXT_UART1_TX: U14_new.16 U14_old.15 X10.11 | length 38
  Top Layer w0.1: v2(66.9,25.9) 66.95,25.85 U14_old.15@68.8,25.85 ; v1(67.7,5.7) 68.191,5.7 68.209,5.682 68.743,5.682 U14_new.16@68.8,5.625
  Top Layer w0.2: U14_old.15@69.107,25.875 69.985,25.875 70.358,25.502 70.358,24.653 71.542,23.47 78.77,23.47 X10.11@79.711,24.41
  L03_Sig w0.1: v2(66.9,25.9) 66.7,25.7 66.7,18.8 69.4,16.1 69.4,12.3 68.7,11.6 68.1,11.6 67.7,11.2 v1(67.7,5.7)
FGND: C12.1 R55.1 X4.S1 X4.S2 | length 20.5
  Bottom Layer w1: X4.S1@3.016,51.657 X4.S2@18.766,51.657 20.938,51.657 ; R55.1@21.47,50.543 21.47,51.124 20.938,51.657 ; C12.1@21.826,52.545 20.938,51.657